# KiCad board klofi_3x5.kicad_pcb (continued)
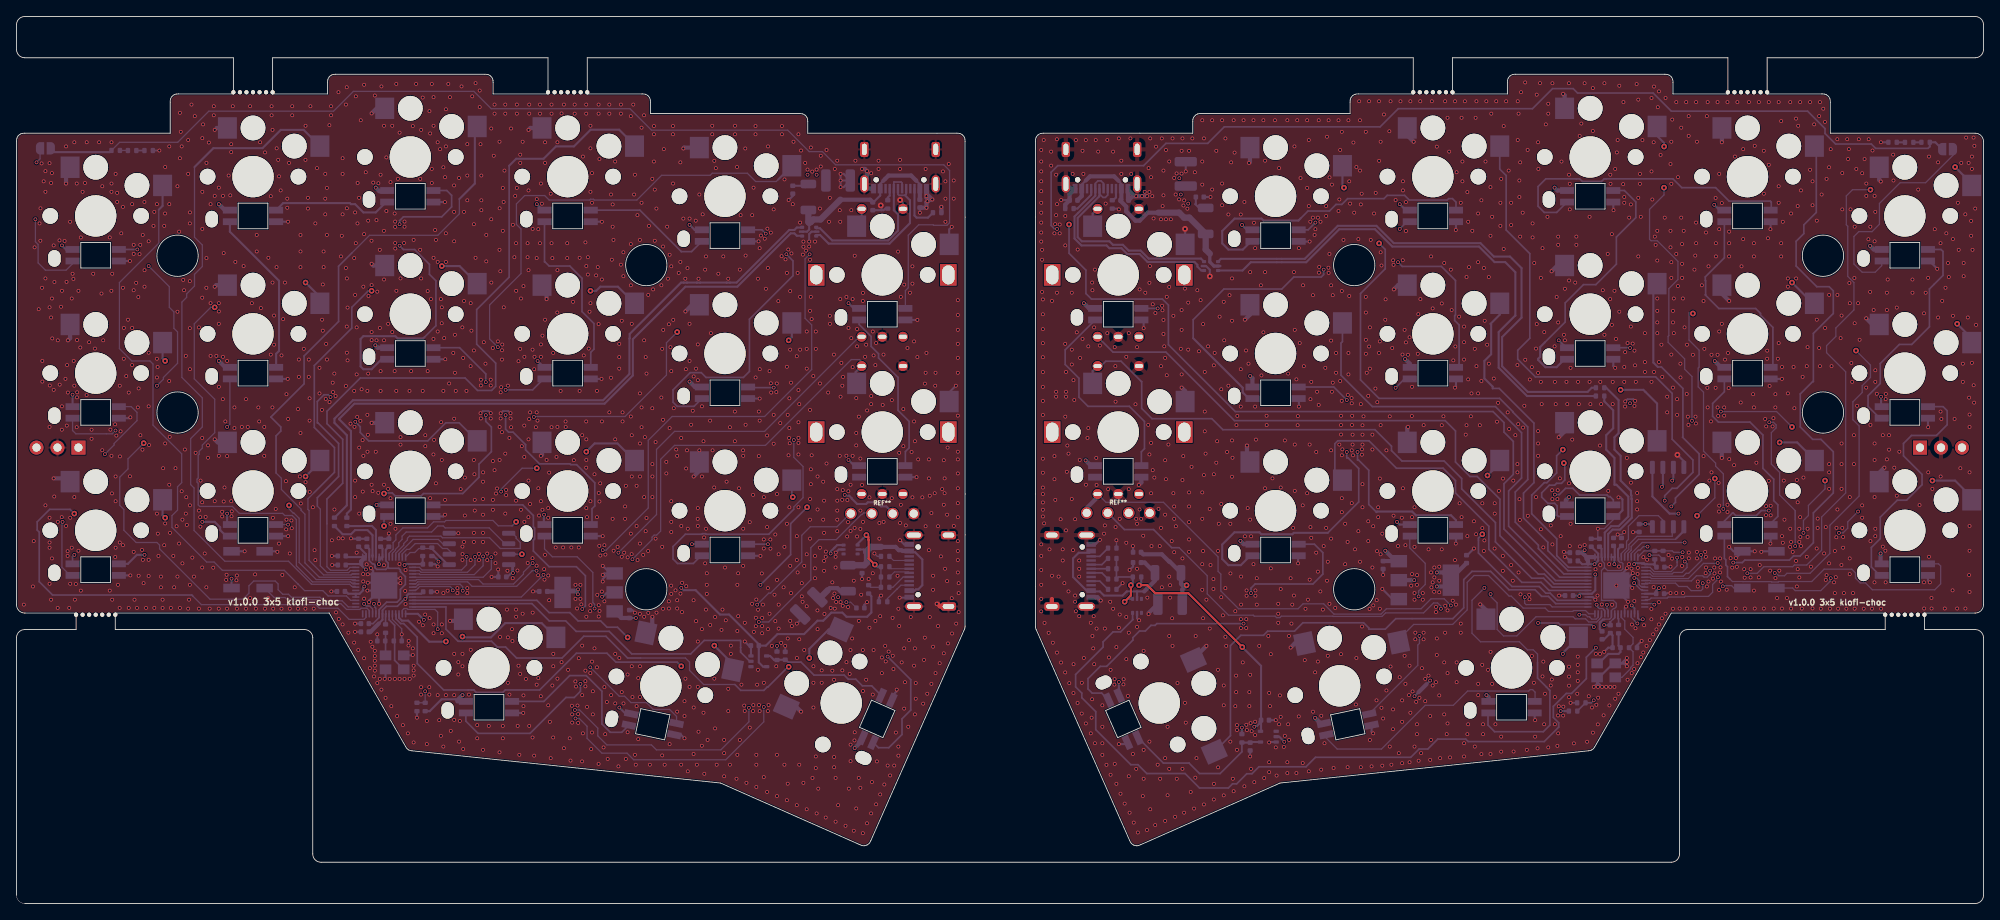
[diagram p0: board, top side]
## Footprints (pads in the part's own frame, mm; a bottom-side part is the same pattern mirrored in y, then rotated) (continued)
SOIC-8_5.23x5.23mm_P1.27mm
  rrect 1.6x0.6 smd: 1(-3.6,1.905) 2(-3.6,0.635) 3(-3.6,-0.635) 4(-3.6,-1.905) 5(3.6,-1.905) 6(3.6,-0.635) 7(3.6,0.635) 8(3.6,1.905)
SolderJumper-2_P1.3mm_Open_RoundedPad1.0x1.5mm
  custom 1x1.5 smd: 1(-0.65,0) 2(0.65,0)
SOT-223-3_TabPin2
  rect 2x1.5 smd: 1(-3.15,2.3) 2(-3.15,0) 3(-3.15,-2.3)
  rect 2x3.8 smd: 2(3.15,0)
SOT-353_SC-70-5
  rrect 0.65x0.4 smd: 1(-0.95,0.65) 2(-0.95,0) 3(-0.95,-0.65) 4(0.95,-0.65) 5(0.95,0.65)
SOT-666
  rrect 0.5x0.375 smd: 1(-0.85,0.537) 3(-0.85,-0.537) 4(0.85,-0.537) 6(0.85,0.537)
  rrect 0.65x0.3 smd: 2(-0.925,0) 5(0.925,0)
TS-1088R-02026
  rect 1.05x2 smd: 1(-2.225,0) 2(2.225,0)
YS-SK6812MINI-E
  rect 1.7x0.825 smd: 1(2.8,0.7) 2(2.8,-0.7) 3(-2.8,-0.7) 4(-2.8,0.7)

## Nets
+1V1: C8.1 C9.1 C17.1 U5.23 U5.45 U5.50
+1V1R: rC8.1 rC9.1 rC17.1 rU5.23 rU5.45 rU5.50
+3V3: C2.1 C3.1 C10.1 C11.1 C12.1 C13.1 C14.1 C15.1 C16.1 C18.1 C24.1 R2.2 R8.2 U1.2 U3.8 U5.1 U5.10 U5.22 U5.32 U5.33 U5.42 U5.43 U5.44 U5.48 U5.49 U6.5
+3V3R: rC2.1 rC3.1 rC10.1 rC11.1 rC12.1 rC13.1 rC14.1 rC15.1 rC16.1 rC18.1 rC24.1 rR3.2 rR9.2 rU1.2 rU3.8 rU5.1 rU5.10 rU5.22 rU5.33 rU5.42 rU5.43 rU5.44 rU5.48 rU5.49 rU6.5
+5V: C1.1 C4.1 C5.1 C19.1 C20.1 EXLED1.1 EXLED2.1 FB1.2 FB2.2 J2.3 LED2.1 LED3.1 LED4.1 LED5.1 LED6.1 LED8.1 LED9.1 LED10.1 LED11.1 LED12.1 LED14.1 LED15.1 LED16.1 LED17.1 LED18.1 LED19.1 LED20.1 LED21.1 R1.1 R19.2 U1.3
+5VR: rC1.1 rC4.1 rC5.1 rC19.1 rC20.1 rEXLED1.1 rEXLED2.1 rFB1.2 rFB2.2 rJ2.3 rLED2.1 rLED3.1 rLED4.1 rLED5.1 rLED6.1 rLED8.1 rLED9.1 rLED10.1 rLED11.1 rLED12.1 rLED14.1 rLED15.1 rLED16.1 rLED17.1 rLED18.1 rLED19.1 rLED20.1 rLED21.1 rR1.1 rR19.2 rU1.3
/left/VBUS_unfiltered: C6.1 C7.1 FB1.1 J3.A4 J3.B4 U2.5
GND: C1.2 C2.2 C3.2 C4.2 C5.2 C6.2 C7.2 C8.2 C9.2 C10.2 C11.2 C12.2 C13.2 C14.2 C15.2 C16.2 C17.2 C18.2 C19.2 C20.2 C21.2 C22.2 C23.2 C24.2 C25.2 EXLED1.3 EXLED2.3 EXSW1.C EXSW1.S1 EXSW2.C EXSW2.S1 J1.2 J2.4 J3.A1 J3.B1 J3.S1 J3.S2 J3.S3 J3.S4 J4.A1 J4.B1 J4.S1 J4.S2 J4.S3 J4.S4 LED2.3 LED3.3 LED4.3 LED5.3 LED6.3 LED8.3 LED9.3 LED10.3 LED11.3 LED12.3 LED14.3 LED15.3 LED16.3 LED17.3 LED18.3 LED19.3 LED20.3 LED21.3 R3.2 R5.1 R6.1 R7.1 R9.1 R18.2 SMDSW1.1 SMDSW2.1 SW2.2 SW3.2 SW4.2 SW5.2 SW6.2 SW8.2 SW9.2 SW10.2 SW11.2 SW12.2 SW14.2 SW15.2 SW16.2 SW17.2 SW18.2 SW19.2 SW20.2 SW21.2 U1.1 U2.2 U3.4 U4.2 U5.19 U5.57 U6.3 Y1.2 Y1.4
GNDR: J5.A1 J5.B1 J5.S1 J5.S2 J5.S3 J5.S4 J6.A1 J6.B1 J6.S1 J6.S2 J6.S3 J6.S4 rC1.2 rC2.2 rC3.2 rC4.2 rC5.2 rC6.2 rC7.2 rC8.2 rC9.2 rC10.2 rC11.2 rC12.2 rC13.2 rC14.2 rC15.2 rC16.2 rC17.2 rC18.2 rC19.2 rC20.2 rC21.2 rC22.2 rC23.2 rC24.2 rC25.2 rEXLED1.3 rEXLED2.3 rEXSW1.C rEXSW1.S1 rEXSW2.C rEXSW2.S1 rJ1.2 rJ2.4 rLED2.3 rLED3.3 rLED4.3 rLED5.3 rLED6.3 rLED8.3 rLED9.3 rLED10.3 rLED11.3 rLED12.3 rLED14.3 rLED15.3 rLED16.3 rLED17.3 rLED18.3 rLED19.3 rLED20.3 rLED21.3 rR2.2 rR5.1 rR6.1 rR7.1 rR8.1 rR18.2 rSMDSW1.1 rSMDSW2.1 rSW2.2 rSW3.2 rSW4.2 rSW5.2 rSW6.2 rSW8.2 rSW9.2 rSW10.2 rSW11.2 rSW12.2 rSW14.2 rSW15.2 rSW16.2 rSW17.2 rSW18.2 rSW19.2 rSW20.2 rSW21.2 rU1.1 rU2.2 rU3.4 rU4.2 rU5.19 rU5.32 rU5.57 rU6.3 rY1.2 rY1.4
/left/AUX-5V: C21.1 FB2.1 J4.A4 J4.B4 U4.5
/left/AUX-TX: R8.1 R10.2 R11.1 R12.1 U4.4
/left/D+: R13.1 U2.4
/left/D-: R14.1 U2.6
/left/D_esd_+: J3.A6 J3.B6 U2.3
/left/D_esd_-: J3.A7 J3.B7 U2.1
/left/KEY1: SW21.1 U5.14
/left/KEY2: SW18.1 U5.12
/left/KEY3: SW12.1 U5.4
/left/KEY4: SW6.1 U5.2
/left/KEY5: SW5.1 U5.41
/left/KEY6: SW11.1 U5.3
/left/KEY7: SW17.1 U5.5
/left/KEY8: SW20.1 U5.18
/left/KEY9: SW19.1 U5.17
/left/KEY10: SW16.1 U5.40
/left/KEY11: SW10.1 U5.39
/left/KEY12: SW4.1 U5.38
/left/KEY13: SW3.1 U5.35
/left/KEY14: SW9.1 U5.36
/left/KEY15: SW15.1 U5.37
/left/KEY16: SW14.1 U5.27
/left/KEY17: SW8.1 U5.29
/left/KEY18: SW2.1 U5.31
/left/KEY19: U5.34
/left/KEY20: U5.30
/left/KEY21: U5.28
/left/KEYEX1: EXSW1.S2 U5.6
/left/KEYEX2: EXSW2.S2 U5.11
/left/LED: U5.13 U6.2
/left/LED_LVL_UP: C25.1 LED21.4 R19.1 U6.4
/left/QSPI_SCLK: U3.6 U5.52
/left/QSPI_SD0: U3.5 U5.53
/left/QSPI_SD1: U3.2 U5.55
/left/QSPI_SD2: U3.3 U5.54
/left/QSPI_SD3: U3.7 U5.51
/left/QSPI_SS: R2.1 R4.1 U3.1 U5.56
/left/RE0A: EXSW1.A U5.7
/left/RE1A: EXSW2.A J2.1 U5.8
/left/REB: EXSW1.B EXSW2.B J2.2 U5.9
/left/SWCLK: J1.1 U5.24
/left/SWD: J1.3 U5.25
/left/TX: U4.3 U5.15
/left/USB_VBUS_PIN: R1.2 R3.1 U5.16
/right/AUX-5V: J6.A4 J6.B4 rC21.1 rFB2.1 rU4.5
/right/AUX-TX: rR9.1 rR10.2 rR11.1 rR12.1 rU4.4
/right/D+: rR13.1 rU2.4
/right/D-: rR14.1 rU2.6
/right/esd_D+: J5.A6 J5.B6 rU2.3
/right/esd_D-: J5.A7 J5.B7 rU2.1
/right/KEY1: rSW21.1 rU5.30
/right/KEY2: rSW18.1 rU5.34
/right/KEY3: rSW12.1 rU5.38
/right/KEY4: rSW6.1 rU5.39
/right/KEY5: rSW5.1 rU5.3
/right/KEY6: rSW11.1 rU5.40
/right/KEY7: rSW17.1 rU5.31
/right/KEY8: rSW20.1 rU5.28
/right/KEY9: rSW19.1 rU5.27
/right/KEY10: rSW16.1 rU5.41
/right/KEY11: rSW10.1 rU5.2
/right/KEY12: rSW4.1 rU5.4
/right/KEY13: rSW3.1 rU5.5
/right/KEY14: rSW9.1 rU5.6
/right/KEY15: rSW15.1 rU5.7
/right/KEY16: rSW14.1 rU5.29
/right/KEY17: rSW8.1 rU5.17
/right/KEY18: rSW2.1 rU5.12
/right/KEY19: rU5.11
/right/KEY20: rU5.14
/right/KEY21: rU5.18
/right/KEYEX1: rEXSW1.S2 rU5.37
/right/KEYEX2: rEXSW2.S2 rU5.35
/right/LED: rU5.13 rU6.2
/right/QSPI_SCLK: rU3.6 rU5.52
/right/QSPI_SD0: rU3.5 rU5.53
/right/QSPI_SD1: rU3.2 rU5.55
/right/QSPI_SD2: rU3.3 rU5.54
/right/QSPI_SD3: rU3.7 rU5.51
/right/QSPI_SS: rR3.1 rR4.1 rU3.1 rU5.56
/right/RE0A: rEXSW1.A rU5.36
/right/RE1A: rEXSW2.A rJ2.1 rU5.8
/right/REB: rEXSW1.B rEXSW2.B rJ2.2 rU5.9
/right/rLED_LVL_UP: rC25.1 rLED21.4 rR19.1 rU6.4
/right/rVBUS_ESD: J5.A4 J5.B4 rC6.1 rC7.1 rFB1.1 rU2.5
/right/SWCLK: rJ1.1 rU5.24
/right/SWD: rJ1.3 rU5.25
/right/TX: rU4.3 rU5.15
/right/USB_VBUS_PIN: rR1.2 rR2.1 rU5.16
Net-(C23-Pad1): C23.1 R15.1 Y1.3
Net-(EXLED1-DIN): EXLED1.4 JP1.2 R16.1
Net-(EXLED1-DOUT): EXLED1.2 EXLED2.4
Net-(J3-CC1): J3.A5 R5.2
Net-(J3-CC2): J3.B5 R6.2
Net-(J4-CC1): J4.A5 R7.2
Net-(J4-CC2): J4.B5 R9.2
Net-(J4-D+-PadA6): J4.A6 R11.2
Net-(J4-D+-PadB6): J4.B6 R12.2
Net-(J4-D--PadA7): J4.A7 R10.1
Net-(J5-CC1): J5.A5 rR5.2
Net-(J5-CC2): J5.B5 rR6.2
Net-(J6-CC1): J6.A5 rR7.2
Net-(J6-CC2): J6.B5 rR8.2
Net-(J6-D+-PadA6): J6.A6 rR11.2
Net-(J6-D+-PadB6): J6.B6 rR12.2
Net-(J6-D--PadA7): J6.A7 rR10.1
Net-(JP1-A): JP1.1 LED2.2
Net-(LED2-DIN): LED2.4 LED8.2
Net-(LED3-DIN): LED3.4 LED4.2
Net-(LED3-DOUT): LED3.2 LED9.4
Net-(LED5-DIN): LED5.4 LED6.2
Net-(LED10-DIN): LED10.4 LED16.2
Net-(LED10-DOUT): LED4.4 LED10.2
Net-(LED11-DIN): LED5.2 LED11.4
Net-(LED11-DOUT): LED11.2 LED17.4
Net-(LED12-DIN): LED12.4 LED18.2
Net-(LED12-DOUT): LED6.4 LED12.2
Net-(LED14-DIN): LED14.4 LED15.2
Net-(LED14-DOUT): LED8.4 LED14.2
Net-(LED15-DIN): LED9.2 LED15.4
Net-(LED16-DIN): LED16.4 LED19.2
Net-(LED17-DOUT): LED17.2 LED20.4
Net-(LED18-DIN): LED18.4 LED21.2
Net-(LED19-DIN): LED19.4 LED20.2
Net-(R4-Pad2): R4.2 SMDSW1.2
Net-(R16-Pad2): R16.2 R17.1
Net-(R17-Pad2): R17.2 R18.1
Net-(rC23-Pad1): rC23.1 rR15.1 rY1.3
Net-(rEXLED1-DIN): rEXLED1.4 rJP1.2 rR16.1
Net-(rEXLED1-DOUT): rEXLED1.2 rEXLED2.4
Net-(rJP1-A): rJP1.1 rLED2.2
Net-(rLED2-DIN): rLED2.4 rLED8.2
Net-(rLED3-DIN): rLED3.4 rLED4.2
Net-(rLED3-DOUT): rLED3.2 rLED9.4
Net-(rLED5-DIN): rLED5.4 rLED6.2
Net-(rLED10-DIN): rLED10.4 rLED16.2
Net-(rLED10-DOUT): rLED4.4 rLED10.2
Net-(rLED11-DIN): rLED5.2 rLED11.4
Net-(rLED11-DOUT): rLED11.2 rLED17.4
Net-(rLED12-DIN): rLED12.4 rLED18.2
Net-(rLED12-DOUT): rLED6.4 rLED12.2
Net-(rLED14-DIN): rLED14.4 rLED15.2
Net-(rLED14-DOUT): rLED8.4 rLED14.2
Net-(rLED15-DIN): rLED9.2 rLED15.4
Net-(rLED16-DIN): rLED16.4 rLED19.2
Net-(rLED17-DOUT): rLED17.2 rLED20.4
Net-(rLED18-DIN): rLED18.4 rLED21.2
Net-(rLED19-DIN): rLED19.4 rLED20.2
Net-(rR4-Pad2): rR4.2 rSMDSW1.2
Net-(rR16-Pad2): rR16.2 rR17.1
Net-(rR17-Pad2): rR17.2 rR18.1
Net-(rU5-RUN): rSMDSW2.2 rU5.26
Net-(rU5-USB_DM): rR14.2 rU5.46
Net-(rU5-USB_DP): rR13.2 rU5.47
Net-(rU5-XIN): rC22.1 rU5.20 rY1.1
Net-(rU5-XOUT): rR15.2 rU5.21
Net-(U5-RUN): SMDSW2.2 U5.26
Net-(U5-USB_DM): R14.2 U5.46
Net-(U5-USB_DP): R13.2 U5.47
Net-(U5-XIN): C22.1 U5.20 Y1.1
Net-(U5-XOUT): R15.2 U5.21

Pads without a net: EXLED2 2; J3 A8 B8; J4 A8 B7 B8; J5 A8 B8; J6 A8 B7 B8; rEXLED2 2; rU4 1 6; rU6 1; U4 1 6; U6 1

## Via types
v1: diameter 0.45, hole 0.3, Front to Back, 3713 vias
v2: diameter 0.686, hole 0.33, Front to Back, 62 vias

## Routing (per net, layer and track width the routed paths; a pad name or vN(x,y) marks a point on that pad's centre or on a via; arc(x,y) is an arc through that point)
+1V1: length 18.8
  Back w0.203: 44.96,40.74 45,40.78 45,41.26 44.72,41.54 U5.50 ; 44.96,40.74 45.09,40.62 46.29,40.62 46.49,40.42 46.49,40.22 47.09,39.62 47.09,38.67 46.49,38.07 46.49,36.92 46.09,36.52 44.82,36.52 43.92,35.62 U5.23 43.92,34.66 43.17,33.92 C8.1 ; 44.96,40.74 44.71,40.48 43.62,40.48 43.41,40.69 43.41,40.88 43.38,40.91 43.38,41.02 43.25,41.16 43.1,41.16 42.72,41.54 U5.45
  Back w0.254: U5.45 42.72,42.95 C17.1 ; U5.50 44.72,42.87 C9.1
+1V1R: length 19.5
  Back w0.152: 192.29,40.72 191.93,40.36 191.93,36.74 193.37,36.74 193.73,36.38 193.73,35.96 193.51,35.74 193.38,35.74 193.13,35.5 rU5.23 193.13,34.66 192.93,34.46 192.29,34.46 ; 192.29,40.72 192.66,40.34 194.31,40.34 194.53,40.56 194.53,41.18 194.37,41.34 194.18,41.34 194.03,41.48 194.03,41.88 rU5.50 ; 192.29,40.72 192.29,41.22 192.03,41.48 192.03,41.81 191.99,41.85 191.99,41.92 rU5.45
  Back w0.254: rU5.50 193.93,42.92 rC9.1 ; rC8.1 191.72,33.26 191.72,34.03 191.82,34.13 191.83,34.13 192.11,34.41 192.29,34.41 ; rU5.45 191.93,42.99 rC17.1
+3V3: length 138.2
  In1.Cu w0.254: 41.39,38.62 41.59,38.42 v1(42.11,38.42) ; 41.69,40.92 42.13,40.48 v1(42.31,40.48) ; 69.04,37.47 v1(67.98,37.47) ; 77.96,40.79 77.9,40.85 74.74,40.85 72.22,38.33 71.1,38.33 ; v1(80.5,38.25) 79.2,39.55 ; 71.1,38.33 71.41,38.02 71.41,37.58 71,37.18 v1(70.91,37.18) ; 71.1,38.33 69.49,38.33 69.22,38.06 v1(68,38.06) ; v1(60.12,40.04) 60.21,40.04 60.76,39.49 ; v1(43.89,41.12) 43.89,41.62 ; v1(47.09,36.92) 47.29,36.92 47.59,37.22 ; 47.34,41.37 v1(46.99,41.02)
  In1.Cu w0.508: 47.54,41.57 47.89,41.22 47.89,39.22 ; 47.54,41.57 47.19,41.92 43.89,41.92 ; 47.54,41.57 47.34,41.37 ; 47.59,37.22 47.89,37.52 47.89,39.22 ; 69.22,38.52 70.4,38.52 70.53,38.38 ; 69.22,38.52 69.22,38.06 ; 69.22,38.52 69.22,39.08 68.99,39.32 67.09,39.32 65.69,37.92 63.89,37.92 62.39,39.42 61.59,39.42 61.24,39.07 ; 47.89,39.22 56.09,39.22 56.99,38.32 60.49,38.32 61.24,39.07 ; 60.76,39.49 60.94,39.49 61.24,39.19 61.24,39.07 ; 41.29,41.32 40.89,40.92 40.89,39.12 41.39,38.62 ; 41.29,41.32 41.89,41.92 43.89,41.92 ; 41.29,41.32 41.69,40.92 ; 77.96,40.79 79.2,39.55 ; 43.89,41.92 43.89,41.62
  In1.Cu w0.762: 68.29,37.72 68.88,37.72 69.22,38.06
  Back w0.152: U5.44 U5.43 ; R8.2 103.19,37.57 ; U5.48 U5.49
  Back w0.203: 39.9,42.15 C14.1 ; v1(47.09,36.92) 47.02,36.92 46.12,36.02 44.79,36.02 44.32,35.55 U5.22
  Back w0.254: C16.1 44.32,43.01 U5.49 43.89,41.55 v1(43.89,41.12) 43.92,41.15 U5.48 ; C24.1 90.75,31.25 92.14,32.65 95.37,32.65 96.99,34.27 97.69,34.27 98.67,35.25 100,35.25 100.5,34.75 103,34.75 103.52,35.27 103.52,37.23 R8.2 ; v1(47.09,36.92) 47.26,37.09 47.26,37.32 47.48,37.54 U5.10 49.01,37.54 C11.1 ; C14.1 40.01,41.98 U5.43 ; v1(42.31,40.48) 42.22,40.57 42.18,40.57 41.87,40.88 41.87,40.92 41.65,41.14 U5.42 39.99,41.14 C13.1 ; 60.06,41.06 60.06,40.1 v1(60.12,40.04) 60.12,41 60.06,41.06 ; 60.06,41.06 60.06,40.19 59.45,39.58 C3.1 ; 49.19,41.14 C15.1 49.19,41.14 ; 49.19,41.14 R2.2 ; 49.19,41.14 U5.1 47.11,41.14 v1(46.99,41.02) ; v1(42.11,38.42) 41.96,38.27 41.96,37.95 41.55,37.54 40.17,37.54 39.89,37.82 C12.1 ; 43.87,33.93 44.32,34.38 U5.22 ; U5.44 42.32,42.35 C18.1 ; U5.33 U5.32 ; v1(70.91,37.18) 71,37.27 71.1,37.27 71.41,37.58 72.31,37.58 U1.2 ; v1(80.5,38.25) 80.78,37.97 82.22,37.97 82.23,37.98 85.19,35.02 86.29,35.02 89.89,31.42 89.89,29.22 90.41,28.7 U6.5 ; v1(68,38.06) 67.98,38.05 v1(67.98,37.47) 67.75,37.7 U1.2
  Back w0.508: 43.87,33.93 42.86,32.92 C10.1 ; 42.09,41.98 42.09,41.82 41.74,41.47 41.74,41.13 ; 67.79,37.92 66.55,37.92 66.55,38.12 U1.2 66.03,37.8 64.27,37.8
+3V3R: length 178.2
  Front w0.254: v2(148.44,31.07) 141.91,37.6 137.91,37.6 136.93,38.57 v2(135.94,38.57)
  In1.Cu w0.254: v1(191,33.5) 191.25,33.75 v1(192.25,33.75) ; 171.64,27.47 v1(171.19,27.02) ; 190.19,42.42 189.89,42.72 v1(189.89,42.82) ; 190.69,40.02 190.95,40.02 190.99,39.98 191.08,39.98 v1(191.18,39.88) ; 191.19,41.62 191.19,41.22 v1(191.09,41.12) ; v1(171.99,40.12) 172.49,40.12 ; v1(169.29,25.12) 168.69,24.52 ; v1(184.25,34) 186.75,36.5 188.25,36.5 189,37.25 v1(189.25,37.25) ; v1(195.89,41.12) 196.09,41.32 196.09,41.82 ; v1(193.49,41.12) 193.49,41.62 ; 168.52,39.18 168.49,39.22 ; v1(198.89,38.22) 198.89,38.62 198.59,38.92 198.59,39.12 ; v1(169.25,39.18) 168.69,39.18 ; 197.39,45.12 197.39,45.36 197.25,45.5 ; v1(171.99,38.42) 172.59,38.42
  In1.Cu w0.508: 198.59,39.12 198.59,39.42 196.19,41.82 196.09,41.82 ; 172.49,40.12 173.29,40.12 ; 184.19,37.12 184.19,36.92 183.39,36.12 182.38,36.12 181.75,36.75 180.75,36.75 ; v1(197.25,46) 197.25,45.5 ; 171.79,27.92 171.64,27.77 171.64,27.47 ; 191.19,42.02 191.19,41.62 ; 168.69,39.18 168.42,39.18 168.09,39.52 ; 193.49,42.02 193.49,41.62 ; 190.59,42.02 190.19,42.42 ; 190.39,40.02 190.69,40.02 ; 172.59,38.42 172.69,38.42 172.89,38.62 ; v1(149.89,21.42) 151.49,21.42 151.93,20.97 154.43,20.97 155,20.41 155,19.5 155.78,18.72 160.39,18.72 160.59,18.92 162.39,18.92 162.59,19.12 164.29,19.12 165.99,20.82 165.99,21.82 168.69,24.52
  In1.Cu w0.762: 189.49,40.62 188.37,39.5 186.57,39.5 184.19,37.12 ; 189.49,40.62 189.79,40.92 189.79,41.22 190.59,42.02 195.09,42.02 ; 189.49,40.62 190.09,40.02 190.39,40.02 ; 180.75,36.75 178,36.75 175.73,39.02 173.29,39.02 ; 173.29,39.02 172.89,38.62 ; 173.29,39.02 173.29,41.42 173.09,41.62 168.69,41.62 168.09,41.02 168.09,39.52 167.19,38.62 167.19,35.34 168.25,34.28 168.25,31.16 170.09,29.32 170.99,29.32 171.79,28.52 171.79,27.92 ; 195.09,42.02 195.09,42.82 197.39,45.12 ; 195.09,42.02 195.89,42.02 196.09,41.82
  Back w0.152: v2(135.94,38.57) 136.02,38.49 ; 193.32,34.42 193.28,34.42 192.99,34.12 192.99,34.12
  Back w0.203: v1(191,33.5) 190.72,33.78 186.92,33.78 186.7,34 v1(184.25,34) ; 193.32,34.42 193.53,34.63 rU5.22
  Back w0.254: rU5.10 198.55,37.54 rC11.1 198.55,37.88 v1(198.89,38.22) ; 192.99,34.12 193,34.11 rC10.1 192.27,33.73 v1(192.25,33.75) ; v1(193.49,41.12) 193.49,41.93 rU5.49 ; rU3.8 197.75,46 v1(197.25,46) 197.23,45.98 rC3.1 ; rR9.2 136.2,38.83 v2(135.94,38.57) ; v1(149.89,21.42) 149.91,21.42 150,21.51 150.21,21.51 150.52,21.82 150.52,22.03 rC24.1 ; 189.74,42.37 189.74,42.67 v1(189.89,42.82) ; rU5.44 191.53,42.39 rC18.1 ; rU5.44 rU5.43 ; rU5.44 191.53,41.56 v1(191.09,41.12) 190.32,41.12 rU5.42 190.27,41.12 189.59,41.12 189.19,41.52 rC13.1 ; v1(195.89,41.12) 196.01,41.24 197.07,41.24 rU5.1 197.21,41.1 198.26,41.1 rC15.1 198.39,40.97 rR3.2 ; v1(171.19,27.02) 170.74,26.57 ; rC24.1 150.71,20.94 rU6.5 ; rC24.1 150.71,28.8 v2(148.44,31.07) ; rU5.48 rU5.49 ; rU5.49 193.53,43.19 rC16.1 ; v1(191.18,39.88) 191.18,37.96 190.77,37.54 rU5.33 189.29,37.54 189.25,37.5 v1(189.25,37.25) 189.18,37.32 rC12.1 ; 169.79,25.62 v1(169.29,25.12)
  Back w0.508: rU1.2 173.69,39.35 rC2.1 ; rU1.2 172.75,40.12 v1(171.99,40.12) ; rU1.2 172.92,38.42 v1(171.99,38.42) ; 190.3,41.22 190.29,41.23 190.29,41.62 190.13,41.78 190.13,41.98 ; 169.79,25.62 170.74,26.57 ; v1(169.25,39.18) rU1.2 ; 190.13,41.98 189.59,42.52 rC14.1 ; 190.13,41.98 rU5.43
+5V: length 675.4
  In1.Cu w0.254: v1(92.09,31.22) 92.09,31.02 92.49,30.62 ; 98.99,53.12 99.62,53.75 v1(100.75,53.75) ; v1(75.01,34.6) 74.99,34.62 74.39,34.62 ; v1(63.89,47.12) 64.02,47.25 68.82,47.25 68.99,47.42 69.89,47.42 70.29,47.82 ; v1(73,23.75) 71.66,23.75 ; 54,24.53 53.89,24.42 54.19,24.12 ; 100.25,72.75 v1(100.75,72.75) ; v1(100.49,36.52) 100.49,37.02 ; 99.94,37.27 99.79,37.12 v1(99.49,37.12) ; 6.52,61.19 6.79,61.46 v1(6.79,61.67) ; v1(5.5,79.75) 5.5,79.3 7.29,77.52 7.29,76.52 7.74,76.07 ; v1(96.89,88.32) 96.89,87.72 96.29,87.12 95.79,87.62 v1(95.79,88.32) ; 99.69,49.52 v1(100.29,49.52) ; v1(25.5,47.25) 25.5,46.25 ; v1(7,42.25) 7.64,42.25 7.67,42.28 10.76,42.28 11.07,42.59 11.51,42.59 11.58,42.52 12.59,42.52 ; v1(81.79,43.54) 82.06,43.54
  In1.Cu w0.508: 73.49,33.22 71.19,30.92 71.19,28.42 70.49,27.72 70.49,23.62 ; 77.89,47.42 72.09,47.42 71.69,47.82 70.29,47.82 ; 82.79,39.32 90.89,39.32 92.99,37.22 92.99,33.52 94.09,32.42 94.09,30.62 93.29,29.82 ; v1(43.6,48.3) 43.6,48.8 43.16,49.25 43,49.25 ; 38.49,67.32 38.84,67.67 43.43,67.67 v1(43.45,67.64) ; 92.69,20.52 83.39,20.52 81.49,18.62 76.99,18.62 76.39,19.22 74.09,19.22 73.49,19.82 70.49,19.82 ; 92.69,20.52 92.99,20.52 96.39,17.12 99.78,17.12 v1(101.5,18.84) ; 92.69,20.52 92,21.21 92,27.25 92.69,27.94 92.69,29.22 93.29,29.82 ; 70.49,23.62 70.59,23.72 71.69,23.72 ; 70.49,23.62 70.49,19.82 ; 79,41.75 79.03,41.78 ; 98.59,49.52 99.69,49.52 ; 73.99,34.62 74.39,34.62 ; 100.25,72.75 99.93,72.43 97.28,72.43 97.09,72.62 ; 53.89,24.42 54.39,23.92 54.39,21.72 55.29,20.82 67.29,20.82 68.29,19.82 70.49,19.82 ; v1(43.5,86.75) 42,86.75 ; v1(54,25.25) 54,24.53 ; 93.29,29.82 92.49,30.62 ; 8.29,75.52 7.74,76.07 ; 97.94,52.07 98.99,53.12 ; 99.94,37.27 100.24,37.27 100.49,37.02 100.49,37.82 99.94,37.27
  In1.Cu w0.762: 80.44,57.77 77.89,55.22 77.89,44.92 79.03,43.78 ; 80.44,57.77 81.29,56.92 89.29,56.92 92.79,53.42 96.59,53.42 98.59,51.42 98.59,44.72 100.49,42.82 100.49,37.82 ; 80.44,57.77 77.29,60.92 ; 59.89,79.22 56.09,75.42 56.09,69.12 54.89,67.92 52.39,67.92 50.89,66.42 50.89,63.72 50.29,63.12 40.89,63.12 38.49,65.52 ; 59.89,79.22 69.49,79.22 ; 59.89,79.22 57.49,81.62 ; 9.52,72.75 9.19,73.08 9.19,74.62 8.29,75.52 ; 9.52,72.75 15.85,72.75 17.89,70.72 17.89,67.82 ; 9.52,72.75 7.32,72.75 2.34,67.77 2.34,62.76 3.29,61.82 3.29,61.25 3.35,61.19 6.52,61.19 ; 57.49,81.62 55.39,83.72 55.39,96.12 52.99,98.52 45.19,98.52 43.59,96.92 42.19,96.92 38.49,93.22 38.49,86.32 ; 57.49,81.62 60.5,84.63 62.88,84.63 ; 38.49,65.52 33.09,60.12 ; 38.49,65.52 38.49,80.12 ; 33.09,60.12 32.19,59.22 24.99,59.22 19.69,64.52 19.69,66.02 ; 33.09,60.12 33.09,59.72 36.69,56.12 36.69,44.82 ; 77.29,63.25 77.29,60.92 ; 77.29,63.25 81.36,63.25 81.43,63.18 ; 77.29,63.25 77.29,69.52 ; 77.29,60.92 69.99,60.92 69.39,60.32 64.39,60.32 64.39,64.32 63.11,65.6 ; 82.99,77.62 81.86,78.75 80.19,78.75 78.75,80.19 78.75,81.22 ; 82.99,77.62 89.09,77.62 ; 82.99,77.62 81.79,76.42 81.79,74.02 77.29,69.52 ; 69.49,79.22 69.49,79.32 71.39,81.22 78.75,81.22 ; 69.49,79.22 72.29,76.42 72.29,75.42 77.59,70.12 77.59,69.82 77.29,69.52 ; 36.69,44.82 33.49,41.62 25.09,41.62 ; 36.69,44.82 37.79,44.82 42.22,49.25 43,49.25 ; 89.09,77.62 89.09,78.72 89.08,78.72 89.08,82.21 90.19,83.32 94.39,83.32 96.29,85.22 96.29,87.12 ; 89.09,77.62 94.09,72.62 97.09,72.62 ; 38.49,80.12 38.49,86.32 ; 38.49,80.12 26,80.12 ; 79.03,43.78 79.5,44.25 81.08,44.25 v1(81.79,43.54) ; 79.03,43.78 79.03,41.78 ; 25.09,41.62 22.19,41.62 20.99,40.42 15.19,40.42 13.09,42.52 12.59,42.52 ; 25.09,41.62 25.09,45.52 25.5,45.93 25.5,46.25 ; 78.75,81.22 79.22,81.22 80.25,82.25 v1(81.5,82.25) ; 26,80.12 26,83.25 v1(24.5,84.75) ; 26,80.12 25.37,80.12 24.8,79.55 24.78,79.55 24.35,79.12 24.35,79.1 23.99,78.74 23.99,77.22 21.59,74.82 21.59,71.52 17.89,67.82 ; 17.89,67.82 19.69,66.02 ; 24.44,65.63 20.08,65.63 19.69,66.02 ; 79,41.75 81.43,39.32 82.79,39.32 82.79,36.02 81.24,34.47 78.22,34.47 76.97,33.22 73.49,33.22 73.49,34.12 73.99,34.62 ; 38.49,86.32 41.57,86.32 42,86.75
  Back w0.127: C20.1 101.01,36.52 v1(100.49,36.52)
  Back w0.203: LED14.1 6.79,42.03 v1(7,42.25) ; R19.2 v1(92.09,31.22)
  Back w0.254: 25.89,64.92 25.33,64.92 ; v1(100.75,53.75) 101.43,53.07 EXLED2.1 ; LED8.1 v1(6.79,61.67) ; v1(25.5,47.25) 25.5,46.26 LED15.1 ; v1(63,84.75) 63.73,84.02 LED5.1 ; v1(73,23.75) 72.93,23.67 73.08,23.67 73.77,22.98 LED20.1 ; v1(75.01,34.6) C1.1 ; v1(5.5,79.75) 6.03,79.22 6.79,79.22 ; 106.11,47.33 105.32,48.12 104.69,48.12 104.39,48.42 104.19,48.42 103.99,48.62 103.09,48.62 102.89,48.42 101.79,48.42 101.14,49.07 101.14,49.11 100.83,49.42 100.39,49.42 v1(100.29,49.52) ; 101.93,19.57 LED21.1 102.45,19.79 ; R1.1 50.03,23.31 51.47,24.75 53.13,24.75 53.39,24.49 53.39,24.64 ; v1(100.75,72.75) 101.38,72.12 EXLED1.1 ; v1(63.1,65.75) 63.88,64.97 LED11.1 ; LED17.1 63.86,46 63.86,47.09 v1(63.89,47.12) ; LED6.1 82.11,81.64 v1(81.5,82.25) ; 95.5,86.81 FB1.2 95.67,86.98 C5.1 ; 25.89,83.92 25.33,83.92 ; v1(81.79,43.54) LED18.1 ; 83.04,81.62 83.01,81.64
  Back w0.508: LED10.1 43.74,67.35 v1(43.45,67.64) ; 102.45,19.79 v1(101.5,18.84) ; C1.1 73.23,34.6 U1.3 ; v1(43.5,86.75) 43.93,86.32 44.89,86.32 ; FB2.2 99.78,37.84 99.4,38.22 98.48,38.22 98.24,37.97 ; 25.33,83.92 v1(24.5,84.75) ; LED12.1 82.16,62.59 v1(81.5,63.25) ; v1(54,25.25) 53.39,24.64 ; 25.33,64.92 v1(24.5,65.75) ; 53.39,24.49 LED19.1 ; LED16.1 v1(43.6,48.3)
  Back w0.762: 97.23,36.96 98.24,37.97
+5VR: length 668.1
  In1.Cu w0.254: v1(225.79,61.42) 225.79,60.62 225.71,60.54 ; 133.49,27.72 133.5,27.71 133.5,26.85 v1(133.49,26.84) ; v1(140.81,87.89) 141.19,87.51 141.19,86.12 v1(140.99,85.92) 141.43,85.92 141.93,85.43 141.93,84.86 v1(141.89,84.82) ; 185.19,50.62 186.99,50.62 187.29,50.32 187.29,49.96 v1(188,49.25) ; v1(186.99,23.32) 186.19,23.32 ; 135.99,73.62 135.62,73.25 131.36,73.25 130.99,73.62 ; 134.68,47.61 rJ2.3 ; 183.39,25.92 182.26,25.92 181.96,25.62 180.12,25.62 179.82,25.92 178.59,25.92 ; 167.32,84.75 v1(167.5,84.75) ; v1(212.19,47.62) 213.19,47.62 ; v1(148.39,21.32) 148.39,22.12 ; v1(157.25,22.5) 157.25,22.43
  In1.Cu w0.508: 135.99,73.62 136.09,73.62 136.89,72.82 136.89,71.42 ; 225.71,60.54 225.21,60.54 224.5,61.25 222.5,61.25 221.95,61.8 ; 164.89,43.89 164.89,43.82 165.19,43.52 165.19,43.31 v1(165.75,42.75) ; v1(168.15,65.98) 167.99,65.82 167.99,63.62 ; 164.17,44.61 165.82,46.25 v1(167.16,46.25) ; 221.29,46.52 221.79,46.02 221.79,44.72 221.89,44.62 221.89,43.86 222.73,43.02 225.13,43.02 v1(225.73,42.42) ; 129.25,73.62 v1(129.25,72.75) ; 129.25,73.62 128.59,73.62 ; 129.25,73.62 130.99,73.62 ; 148.39,22.12 148.49,22.22 148.49,23.52 ; v1(167.5,84.75) 167.27,84.52 165.99,84.52 ; 159.49,34.52 163.49,34.52 ; 183.39,25.92 183.59,25.92 186.19,23.32 ; 178.59,25.92 177.75,25.92 ; 177.75,25.92 177.75,25.5 v1(178,25.25) ; 177.75,25.92 176.25,25.92 ; v1(129.46,53.7) 129.64,53.87 129.64,53.89 130.39,54.64 130.39,57.02 130.39,57.03 130.39,62.89 132.39,64.89 132.39,65.92 132.09,66.22 ; 223.43,79.93 223.66,79.7 v1(224.46,79.7) ; 213.19,47.62 214.49,47.62 ; 133.49,28.12 133.49,27.72 ; 137.69,48.92 137.59,48.82 136.79,48.82 136.47,48.5 135.85,48.5 rJ2.3 ; 184.39,50.62 185.19,50.62
  In1.Cu w0.762: 146.16,82.16 142.9,85.42 142.59,85.42 ; 146.16,82.16 146.16,79.59 147.25,78.5 148.69,78.5 150.19,77 150.19,75.72 ; 146.16,82.16 148.32,82.16 v1(148.4,82.23) ; 148.49,28.02 144.99,31.52 144.99,31.62 143.29,33.32 142.79,33.32 ; 148.49,28.02 148.49,24.72 ; 148.49,28.02 153.59,33.12 153.59,34.72 ; 214.5,60.92 215.5,60.92 215.5,61.25 217,62.75 220.69,62.75 ; 214.5,60.92 209.89,60.92 209.19,61.62 204.13,61.62 202.39,63.36 202.39,65.72 ; 214.5,60.92 214,60.42 214,57.25 215,56.25 215.5,56.25 217.5,54.25 217.5,51.91 217.89,51.52 217.89,48.22 ; v1(205.65,65.73) 205.63,65.72 202.39,65.72 ; 146.19,57.02 145.59,57.62 145.59,61.32 143.95,62.95 ; 146.19,57.02 146.19,55.52 142.79,52.12 142.79,48.92 ; 146.19,57.02 156.69,57.02 158.29,55.42 158.29,53.72 160.39,51.62 163.79,51.62 ; 161.39,91.42 159.09,93.72 148.99,93.72 142.59,87.32 142.59,85.42 ; 161.39,91.42 162.59,91.42 167.19,96.02 177.09,96.02 182.89,90.22 182.89,86.42 ; 161.39,91.42 163.69,89.12 163.69,84.92 164.09,84.52 165.99,84.52 ; 142.79,33.32 142.79,38.57 ; 142.79,33.32 136.89,33.32 133.49,29.92 133.49,28.12 ; 202.29,82.32 205.39,79.22 214.5,79.22 217.03,81.75 220.5,81.75 221.99,80.26 221.99,79.93 ; 202.29,82.32 199.49,82.32 ; 202.29,82.32 202.29,82.62 203,83.33 203,84.25 203.5,84.75 205.51,84.75 v1(205.59,84.67) ; 168.39,59.72 167.99,60.12 167.99,63.62 ; 168.39,59.72 164.99,56.32 164.99,54.62 163.79,53.42 163.79,51.62 ; 168.39,59.72 168.59,59.92 176.49,59.92 176.54,59.87 ; 180.99,78.52 180.99,81.02 183.64,83.67 ; 180.99,78.52 172.59,78.52 171.57,77.5 168.67,77.5 163.79,72.62 159.29,72.62 156.19,75.72 150.19,75.72 ; 180.99,78.52 180.99,69.42 ; 150.19,75.72 146.59,72.12 142.49,72.12 140.19,69.82 ; 143.95,62.95 144.55,63.55 148.83,63.55 149.23,63.96 ; 143.95,62.95 140.19,66.72 140.19,69.82 ; 180.99,69.42 180.99,64.32 176.54,59.87 ; 180.99,69.42 182.99,69.42 184.16,68.25 v1(186.75,68.25) ; 164.89,43.89 162.76,46.02 162.19,46.02 ; 220.69,62.75 221,62.75 221.95,61.8 ; 220.69,62.75 220.69,67.02 223.69,70.02 224.29,70.02 225.69,71.42 225.69,74.82 224.68,74.82 222,77.5 222,79.92 221.99,79.93 ; 163.49,34.52 163.51,34.5 164.5,34.5 167,32 167,29.31 171.89,24.42 174.75,24.42 176.25,25.92 ; 182.89,86.42 184.61,86.42 185.03,86.84 186.16,86.84 v1(186.25,86.75) ; 182.89,86.42 182.89,84.42 183.64,83.67 ; 202.39,65.72 199.49,68.62 199.49,82.32 ; 141.19,86.82 142.59,85.42 ; 140.19,69.82 137.99,69.82 136.89,70.92 136.89,71.42 ; 199.49,82.32 184.99,82.32 183.64,83.67 ; 142.79,38.57 142.79,44.25 ; 142.79,38.57 v2(141.69,38.57) ; 217.89,48.22 219.59,46.52 221.29,46.52 ; 217.89,48.22 217.29,47.62 214.49,47.62 ; 221.99,79.93 223.43,79.93 ; v1(157.25,22.5) 156.75,22.5 156.17,21.92 154.99,21.92 152.19,24.72 148.49,24.72 ; v1(148.21,43.95) 147.91,44.25 142.79,44.25 ; 132.09,66.22 131.59,66.72 129.39,66.72 127.59,68.52 127.59,68.66 126.5,69.75 126.5,71.53 128.59,73.62 ; 162.19,46.02 153.59,37.42 153.59,34.72 ; 162.19,46.02 163.79,47.62 163.79,51.62 ; 142.79,48.92 137.69,48.92 ; 142.79,48.92 142.79,44.25 ; 148.49,24.72 148.49,23.52 ; 153.59,34.72 157.99,34.72 158.19,34.52 159.49,34.52 ; 176.54,59.87 182.99,53.42 182.99,51.32 183.69,50.62 184.39,50.62
  Back w0.203: v1(212.19,47.62) 211.29,47.62 210.69,47.02 208.18,47.02 207.89,47.32 207.79,47.32 206.81,46.34 rLED15.1
  Back w0.254: rLED8.1 225.79,60.29 v1(225.79,61.42) ; rFB1.2 143.21,84.29 142.75,84.75 142.81,84.81 rC5.1 ; rR1.1 v1(186.99,23.32) ; 149.63,81.61 rLED6.1 148.99,81.64 v1(148.4,82.23) ; rLED5.1 168.23,84.02 v1(167.5,84.75) ; 206.41,64.97 rLED9.1 206.68,65.11 ; 157.93,21.82 158.29,21.82 ; v1(205.59,84.67) 206.24,84.02 rLED3.1 206.71,83.92 ; v1(186.75,68.25) 187.59,67.41 187.71,67.41 rLED10.1 ; v1(133.49,26.84) 133.49,25.22 ; rLED2.1 225.82,79.22 ; v1(167.16,46.25) 167.49,45.92 rLED17.1 ; rEXLED1.1 130.56,72.06 ; 130.09,53.07 rEXLED2.1 130.56,53.02 ; 187.55,48.52 rLED16.1 187.62,48.45 ; rLED4.1 187.68,86.32 ; rR19.2 v1(148.39,21.32) ; rLED14.1 225.73,41.29
  Back w0.508: rLED12.1 149.66,63.64 v1(149.39,63.92) ; rC20.1 136.19,42.57 136.44,42.32 138.69,42.32 139.56,41.44 139.64,41.44 rFB2.2 141.01,38.74 141.19,38.57 v2(141.69,38.57) 141.16,38.04 rC19.1 ; v1(157.25,22.5) 157.93,21.82 ; v1(224.46,79.7) 224.9,79.26 rLED2.1 ; 206.41,64.97 v1(205.65,65.73) ; rU1.3 166.77,41.48 ; rU1.3 167.19,41.68 ; rU1.3 167.02,41.48 v1(165.75,42.75) ; rU1.3 167.37,41.5 rC1.1 ; v1(188,49.25) 187.62,48.87 187.62,48.45 ; v1(148.21,43.95) 148.61,43.54 rLED18.1 ; v1(168.15,65.98) 168.71,65.42 rLED11.1 ; v1(129.25,72.75) 129.88,72.12 rEXLED1.1 ; rLED4.1 186.6,86.4 v1(186.25,86.75) ; 130.09,53.07 v1(129.46,53.7) ; v1(178,25.25) 178.24,25.01 rLED19.1 ; 225.73,41.29 v1(225.73,42.42)
/left/VBUS_unfiltered: length 22.9
  Back w0.254: 103.69,84.9 104.59,85.8 J3.A4 104.59,87.2 104.8,87.41 104.8,87.43 105.19,87.82 ; 108.91,87.64 109.39,87.16 J3.B4 ; 95.23,81.42 95.73,81.42 95.99,81.68 95.99,82.62
  Back w0.508: 104.96,87.59 105.59,88.22 108.33,88.22 108.97,87.59 ; J3.B4 C7.1 ; 99.76,85.29 103.38,85.29 C6.1
  Back w0.762: 95.89,83.94 95.89,82.59 95.99,82.49 96.08,82.58 96.18,82.58 96.5,82.9 97.37,82.9 99.76,85.29
GND: length 157.1
  Front w0.508: v1(111.44,36.32) 111.55,36.32 111.87,36 J4.S4
  Back w0.152: R7.1 104.24,42.07 v1(103.89,42.42) ; v1(46.65,32.62) 46.65,33.29 45.52,34.42 U5.19 ; 108.19,37.07 108.14,37.12 J4.B1 ; 112.99,79.52 112.19,78.72
  Back w0.203: R18.2 v1(17.3,91.25) ; v1(56.19,59.42) 56.45,59.68 57.16,59.68 v1(57.43,59.42) ; C25.2 v1(93.09,31.22) ; C23.2 v1(43.69,32.62) ; v1(59.83,59.42) 59.56,59.68 58.9,59.68 v1(58.63,59.4) ; C22.2 v1(46.65,32.62)
  Back w0.254: 24.24,93.99 v1(24,93.75) ; v1(74.88,35.25) 74.57,35.56 C1.2 ; U5.57 44.8,38.82 v1(46.49,38.82) ; U5.57 44.18,38.88 v1(42.53,38.88) ; U5.57 43.19,39.87 43.19,40.32 42.91,40.6 v1(42.91,40.65) ; U5.57 42.69,36.71 v1(42.69,36.52) ; U5.57 45.4,39.42 v1(46.49,39.42) ; U5.57 43.91,37.93 v1(43.91,36.32) ; U5.57 43.9,37.92 v1(42.49,37.92) ; U5.57 43.16,39.9 v1(42.53,39.9) ; v1(38.19,42.12) C14.2 ; LED8.3 13.68,58.81 v1(13.79,58.92) ; SMDSW2.1 31.53,42.68 v1(31.59,42.62) ; R9.1 104.43,37.06 v1(104.69,37.32) ; C10.2 v1(40.99,32.92) ; v1(13.79,39.76) LED14.3 ; v1(99.2,42.52) 99.58,42.9 U4.2 ; EXLED1.3 109.09,70.72 v1(109.09,70.72) ; v1(51.89,47.12) 51.67,46.9 LED16.3 ; v1(13.74,51.77) 13.69,51.82 ; LED18.3 89.91,42.14 89.94,42.12 v1(90.09,42.12) ; C20.2 102.67,36.2 v1(102.99,36.52) ; LED21.3 106,25.13 106.59,25.72 v1(106.59,25.92) ; v1(103.5,88.5) 103.25,88.5 v1(103,88.75) ; C21.2 v1(102.39,39.32) ; LED5.3 70.78,82.62 70.79,82.62 v1(70.89,82.62) ; 6,88.74 SW2.2 ; U6.3 88.94,31.24 C24.2 88.69,31.25 v1(88.19,31.75) ; 112.94,79.75 112.94,81.69 v1(113.25,82) ; SW4.2 43.62,96.37 ; v1(44.59,27.22) 44.69,27.32 Y1.2 ; C8.2 v1(40.99,33.92) ; 108.19,37.07 v1(106.94,37.07) ; R5.1 105.19,84.21 105,84.02 104.75,84.02 ; U1.1 71.17,40 v1(70.99,39.82) ; U1.1 71.67,40 70.99,39.32 v1(70.99,39.02) ; U1.1 71.91,40 v1(70.99,40.92) ; v1(57.53,39.58) C3.2 58.35,40.46 v1(58.33,40.48) ; 53.91,34.25 SW19.2 ; LED11.3 v1(70.84,63.57) ; v1(61.36,23.09) LED19.3 ; C4.2 100.16,86.82 v1(99.79,86.82) v1(99.79,88.42) 100.16,88.42 C4.2 ; C4.2 v1(99.79,87.62) ; v1(95.99,80.22) 95.99,81.13 96.27,81.42 96.74,81.42 ; v1(80.89,20.02) 80.45,20.45 LED20.3 ; 104.75,84.02 C6.2 ; 104.75,84.02 104.75,84.5 v2(104.65,84.6) ; C11.2 v1(50.93,37.78) ; v1(70.99,44.52) 70.89,44.52 70.88,44.52 LED17.3 ; v1(38.12,37.82) C12.2 ; v1(51.87,85) LED4.3 ; C17.2 C18.2 40.55,44.2 v1(40.5,44.25) ; SMDSW1.1 v1(27.63,42.68) ; 76.98,33.56 SW20.2 ; v1(89.86,80.24) LED6.3 ; C5.2 94,85.75 v1(93.5,85.25) ; v1(32.84,63.57) LED9.3 ; 64.19,74.06 63.64,74.61 SW11.2 ; v1(94.49,33.92) 94.89,34.33 C19.2 ; EXSW2.S1 112.94,61.94 v1(113.75,62.75) ; v1(32.88,82.62) LED3.3 ; Y1.4 47.94,30.07 v1(47.99,30.12) ; v1(45.09,44.84) C9.2 C16.2 ; 103,87.54 J3.S1 ; v2(107,85.25) 107.34,84.91 EXSW1.S1 ; 44.57,58.25 SW16.2 ; J4.A1 107.49,43.52 v1(106.99,44.02) ; v1(109.39,83.72) C7.2 ; 6.09,51.52 SW14.2 ; v1(77,34.75) 76.98,34.73 ; LED15.3 32.88,44.52 v1(32.89,44.52) ; v1(13.73,77.86) LED2.3 ; LED10.3 v1(51.92,65.95) ; v1(62.55,37.82) C2.2 ; v1(38.23,41.02) C13.2 ; C15.2 50.73,41.12 v1(51,40.85) ; v1(108.99,51.67) EXLED2.3 ; v1(89.99,61.19) LED12.3 ; R3.2 v1(48.49,22.52) ; v1(53.5,44.87) 52.86,44.87